# Altium PCB FMC_ADC_250M_16B_4ch.PcbDoc (part 6 of 8) (continued)
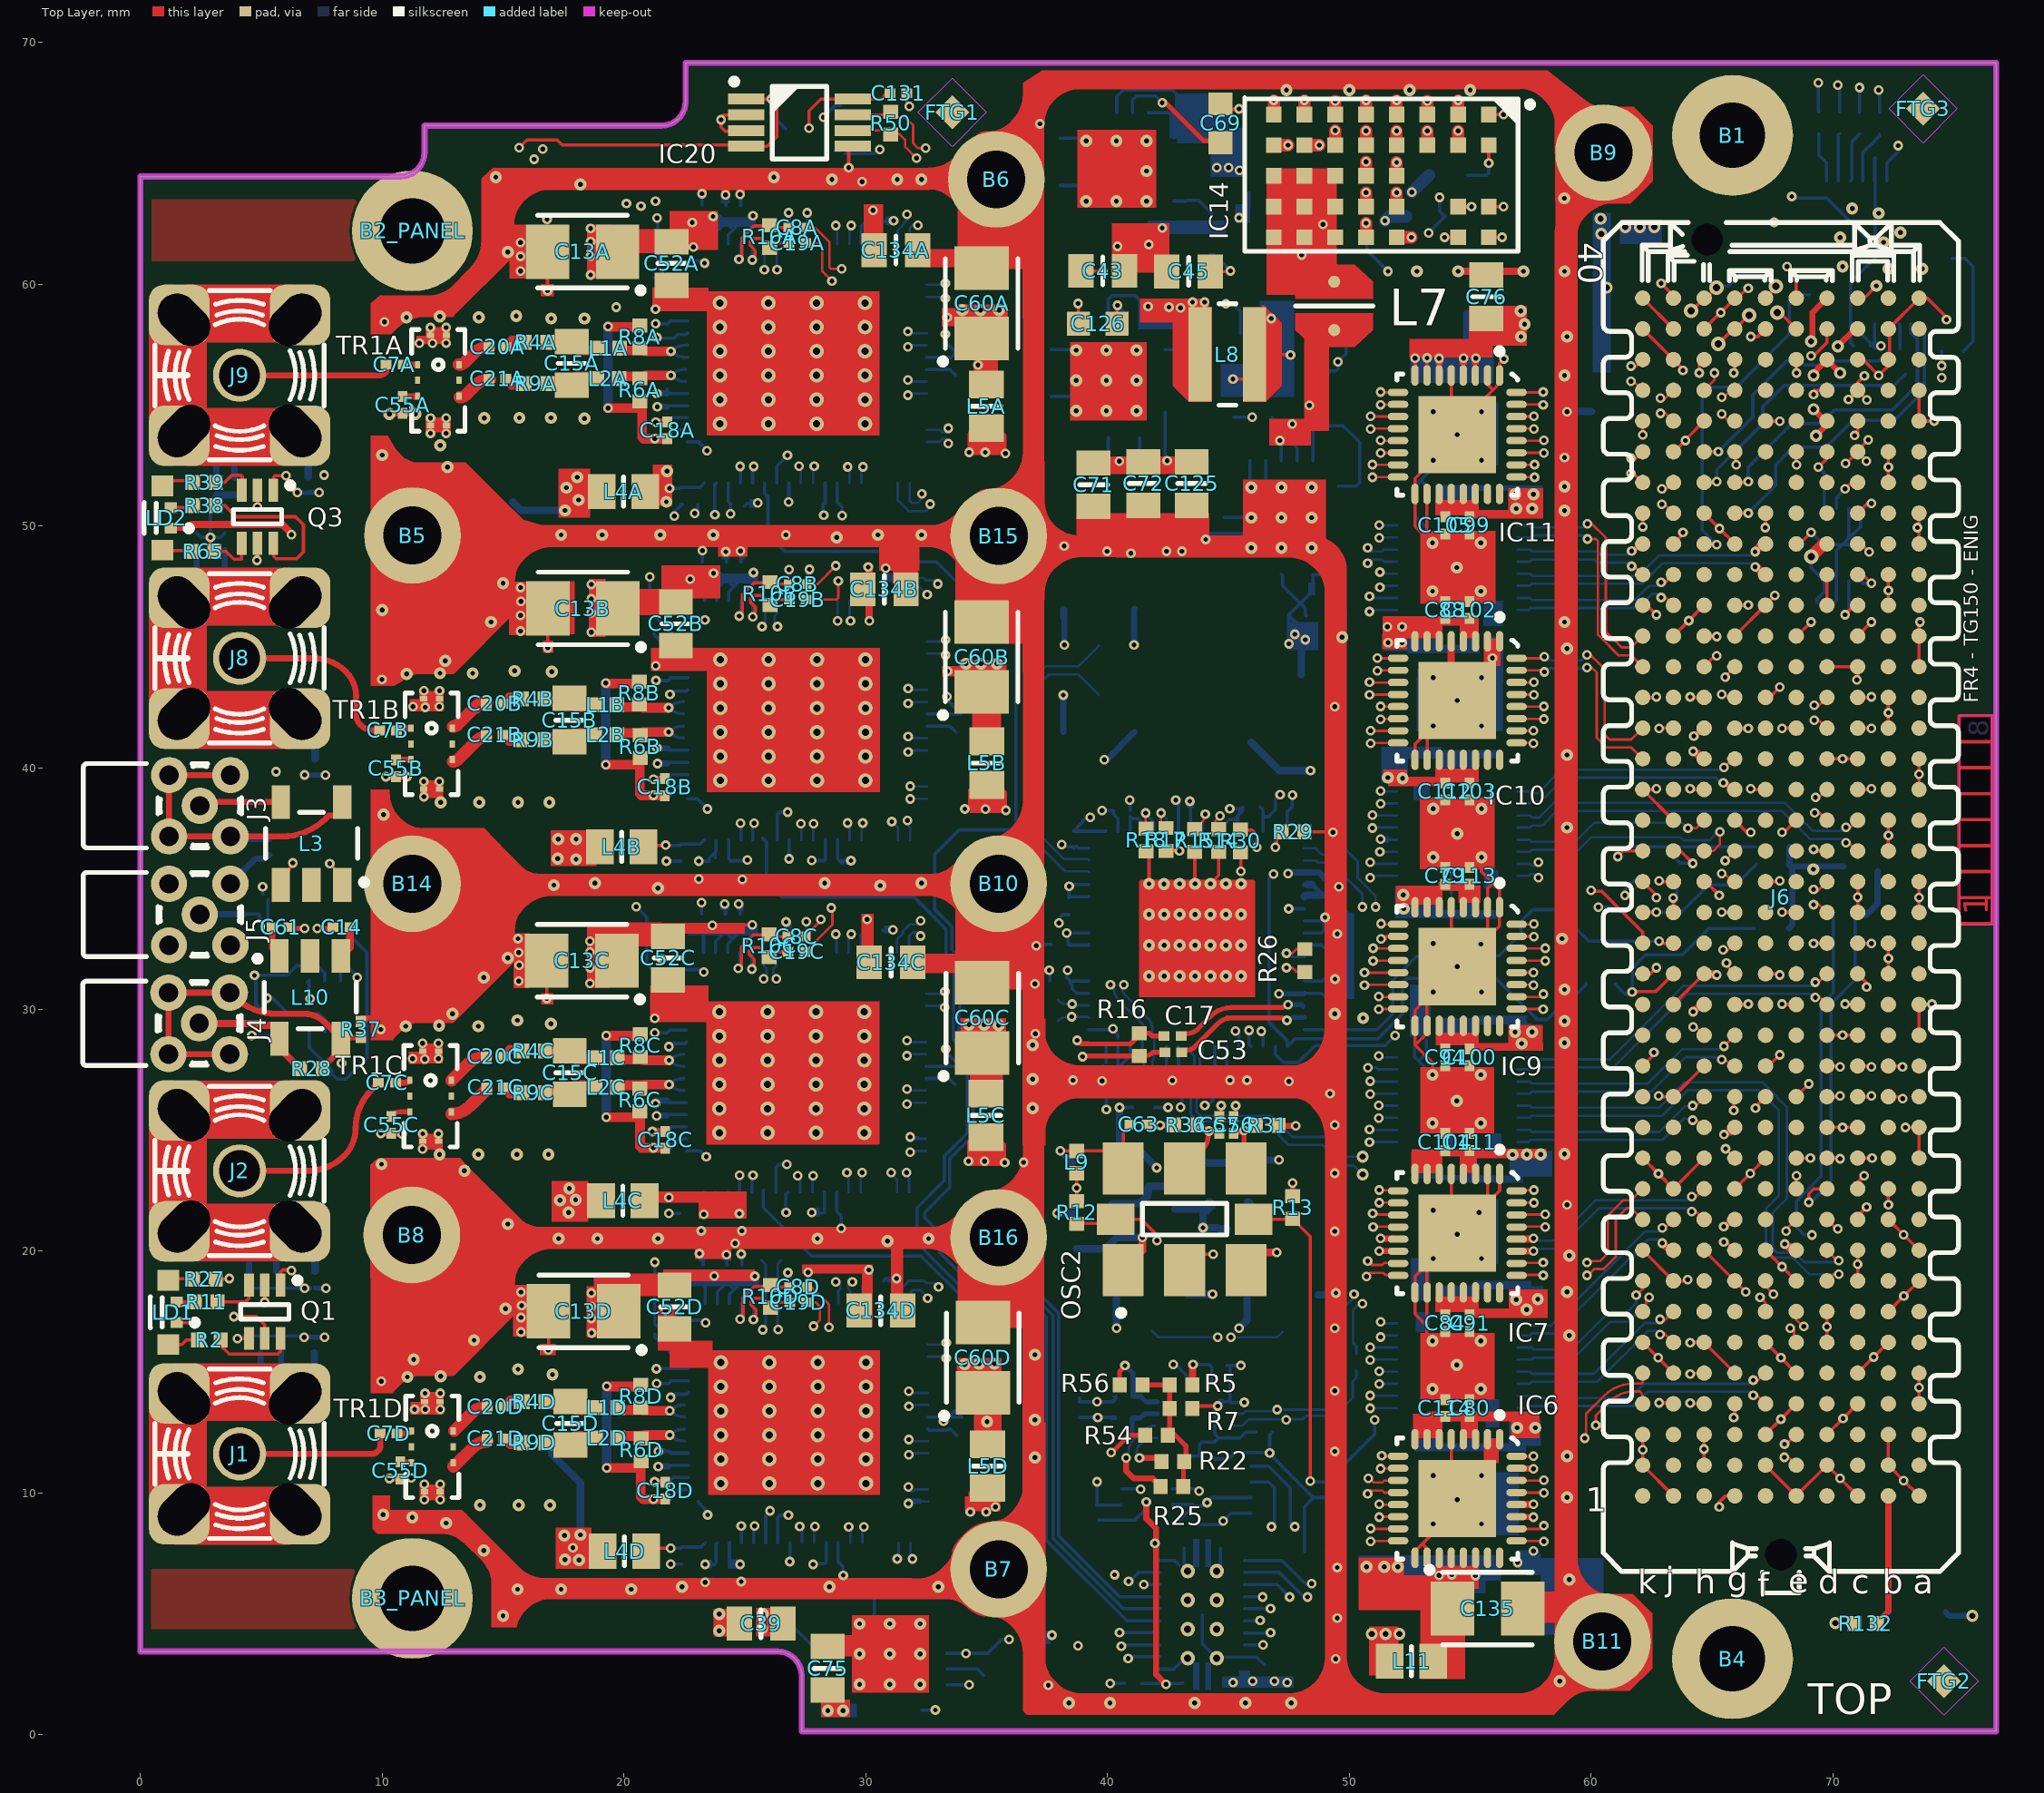
[diagram p0: Top Layer view]
## Nets (pads, with @x,y where several pads share a name; then routed paths per layer and width w, separated by ;. In a path a pad name is that pad's centre, name@x,y a point inside that pad or via, vN(x,y) a via of type N, cw(c..) or ccw(c..) an arc to the next point about the centre after c; other vN are vias at no path point) (continued)
  Top Layer w0.135: v1(18.601,31.727) 18.857,31.727 C13C.1@18.925,31.658 ; v1(18.601,32.377) 18.858,32.377 C13C.1@18.9,32.419 ; v1(18.601,32.827) 18.695,32.827 18.8,32.931 C13C.1@19.714,32.018 ; C13C.1@18.835,31.139 C13C.1@19.714,32.018 ; C13C.1@19.017,31.088 C13C.1@19.017,31.321 ; C13C.1@19.14,31.444 C13C.1@19.714,32.018 ; L4C.2@20.857,22.096 20.984,22.223 v1(21.862,22.223) ; 24.751,33.501 v1(25.316,33.501)
  Bottom Layer w0.135: v1(21.283,29.036) C1C.2@21.786,29.036 ; v1(21.354,25.602) v1@21.359,25.607 ; C5C.2@21.76,25.607 21.803,25.65 IC1C.6@22.597,25.65 ; C1C.2@21.76,29.011 C1C.2@21.786,29.036 ; v1(21.862,22.223) 22.274,22.223 C24C.2@22.319,22.269 23.115,22.269 IC1C.72@23.297,22.45 ; IC1C.13@22.597,29.15 21.899,29.15 C1C.2@21.786,29.036 ; 22.722,33.239 22.734,33.227 C2C.2@23.208,33.227 ; IC1C.19@23.297,32.35 23.297,33.164 C2C.2@23.208,33.253 ; C2C.2@23.304,33.349 C2C.2@23.208,33.253 ; v1(23.306,21.53) 23.326,21.55 C6C.2@23.738,21.55 ; C6C.2@23.736,21.614 23.736,22.389 IC1C.71@23.797,22.45 ; IC1C.20@23.797,32.35 23.797,32.825 C4C.2@24.199,33.227 ; IC1C.70@24.297,22.45 24.297,21.664 C133C.2@24.382,21.578 ; IC1C.21@24.297,32.35 24.297,32.716 24.498,32.917 ; C133C.2@24.373,21.55 24.774,21.55 v1(24.78,21.555) ; C133C.2@24.382,21.614 C133C.2@24.382,21.578 ; C133C.2@24.403,21.558 C133C.2@24.382,21.578 ; C2C.2@23.208,33.253 23.278,33.253 23.501,33.476 v1(23.665,33.476) 23.95,33.476 C4C.2@24.199,33.227 ; C4C.2@24.199,33.227 24.199,33.216 24.498,32.917 ; 24.498,32.917 24.808,33.227 C3C.2@24.884,33.227 25.093,33.227 ; 25.093,33.227 25.093,33.278 v1(25.316,33.501) 25.316,33.45 25.093,33.227
  Bottom Layer w0.254: v1@21.359,25.607 C5C.2@21.76,25.607
  other v1: 18.601,31.077
P1V8AD: C1D.2 C2D.2 C3D.2 C4D.2 C5D.2 C6D.2 C13D.1 C24D.2 C52D.2 C133D.2 IC1D.6 IC1D.13 IC1D.19 IC1D.20 IC1D.21 IC1D.70 IC1D.71 IC1D.72 L4D.2 | length 17.6
  Top Layer w0.135: 18.851,17.8 C13D.1@18.95,17.8 ; C13D.1@18.905,16.639 C13D.1@19.784,17.518 ; C13D.1@18.95,17.3 18.95,17.203 19.21,16.944 C13D.1@19.784,17.518 ; C13D.1@18.951,18.35 C13D.1@19.784,17.518 ; C13D.1@19.087,16.588 C13D.1@19.087,16.821 ; L4D.2@20.927,7.596 21.054,7.723 v1(21.932,7.723)
  Bottom Layer w0.135: v1(21.353,14.536) C1D.2@21.856,14.536 ; v1(21.424,11.102) v1@21.429,11.107 ; C5D.2@21.83,11.107 21.873,11.15 IC1D.6@22.667,11.15 ; C1D.2@21.83,14.511 C1D.2@21.856,14.536 ; v1(21.932,7.723) 22.344,7.723 22.389,7.769 23.185,7.769 IC1D.72@23.367,7.95 ; IC1D.13@22.667,14.65 21.969,14.65 C1D.2@21.856,14.536 ; v1(23.357,7.052) 23.363,7.046 C6D.2@23.764,7.046 ; IC1D.19@23.367,17.85 23.367,18.664 23.278,18.753 23.501,18.976 v1(23.735,18.976) 24.02,18.976 C4D.2@24.269,18.727 ; C6D.2@23.631,7.103 C6D.2@23.656,7.077 ; C6D.2@23.806,7.114 23.806,7.889 IC1D.71@23.867,7.95 ; IC1D.20@23.867,17.85 23.867,18.325 C4D.2@24.269,18.727 ; IC1D.70@24.367,7.95 24.367,7.164 C133D.2@24.402,7.128 ; IC1D.21@24.367,17.85 24.367,18.216 24.568,18.417 ; C133D.2@24.399,7.046 24.799,7.046 v1(24.805,7.052) ; v1(25.419,18.968) v1@25.386,19.001 ; C4D.2@24.269,18.727 24.269,18.716 24.568,18.417 ; 24.568,18.417 24.878,18.727 C3D.2@24.954,18.727 25.163,18.727 ; 25.163,18.727 25.163,18.778 v1@25.386,19.001 ; 25.163,18.727 25.386,18.95 v1@25.386,19.001
  Bottom Layer w0.254: v1@21.429,11.107 C5D.2@21.83,11.107
  other v1: 18.666,16.625 18.65,17.225 18.65,17.725 18.651,18.275
P1V8DA: C10A.2 C11A.2 C12A.2 C60A.1 C134A.2 IC1A.27 IC1A.32 IC1A.62 L5A.1 | length 8.2
  Top Layer w0.135: v1@33.523,58.504 33.536,58.491 34.955,58.491 34.882,58.419 C60A.1@34.882,57.069 ; C60A.1@34.641,57.234 34.717,57.234 C60A.1@34.882,57.069 ; L5A.1@34.98,56.32 34.98,56.971 C60A.1@34.882,57.069
  Bottom Layer w0.135: IC1A.27@27.325,61.671 27.325,62.275 C12A.2@27.571,62.521 27.58,62.529 v1(27.58,62.949) ; C11A.2@28.24,50.904 C11A.2@28.246,50.909 v1@28.246,50.523 ; C11A.2@28.325,50.935 IC1A.62@28.325,51.771 ; IC1A.32@29.825,61.671 29.825,62.394 C10A.2@30.024,62.593 30.301,62.871 v1(30.301,63.053)
  other v1: 28.27,50.447 34.65,56.65 33.375,58.625
  other v2: 34,58.925 34.75,58.925 35.525,58.925
P1V8DB: C10B.2 C11B.2 C12B.2 C60B.1 C134B.2 IC1B.27 IC1B.32 IC1B.62 L5B.1 | length 9.1
  Top Layer w0.135: C60B.1@34.655,42.48 34.731,42.48 C60B.1@34.897,42.315 ; C60B.1@34.969,43.737 34.897,43.665 C60B.1@34.897,42.315 ; L5B.1@34.994,41.566 34.994,42.217 C60B.1@34.897,42.315
  Top Layer w0.3: v1(30.109,48.296) 30.15,48.255 v1(30.15,46.075)
  Bottom Layer w0.135: IC1B.27@27.339,46.917 27.339,47.521 C12B.2@27.585,47.767 27.594,47.775 27.594,48.195 27.599,48.2 v1(27.675,48.2) ; v1(27.777,36.16) 27.782,36.155 C11B.2@28.26,36.155 ; C11B.2@28.339,36.181 IC1B.62@28.339,37.017 ; IC1B.32@29.839,46.917 29.839,47.64 C10B.2@30.038,47.839 30.109,47.91 v1(30.109,48.296)
  other v1: 33.39,43.983
  other v2: 34.15,44.3 34.775,44.3 35.425,44.3
P1V8DC: C10C.2 C11C.2 C12C.2 C60C.1 C134C.2 IC1C.27 IC1C.32 IC1C.62 L5C.1 | length 4.2
  Bottom Layer w0.135: IC1C.27@27.297,32.35 27.297,32.954 C12C.2@27.543,33.2 27.551,33.209 v1(27.551,33.628) ; v1(27.777,21.606) 27.794,21.588 C11C.2@28.217,21.588 ; C11C.2@28.297,21.614 IC1C.62@28.297,22.45 ; IC1C.32@29.797,32.35 29.819,32.372 29.819,33.096 C10C.2@29.995,33.272 30.066,33.343 v1(30.066,33.73)
  other v2: 35.506,29.35 34.275,29.375 34.9,29.375
P1V8DD: C10D.2 C11D.2 C12D.2 C60D.1 C134D.2 IC1D.27 IC1D.32 IC1D.62 L5D.1 | length 4.2
  Bottom Layer w0.135: IC1D.27@27.367,17.85 27.367,18.454 C12D.2@27.613,18.7 27.621,18.709 v1(27.621,19.128) ; v1(27.828,7.052) 27.864,7.088 C11D.2@28.287,7.088 ; C11D.2@28.367,7.114 IC1D.62@28.367,7.95 ; IC1D.32@29.867,17.85 29.873,17.856 29.873,18.58 C10D.2@30.065,18.772 30.136,18.843 v1(30.136,19.23)
  other v2: 35.025,12.95 34.1,15.325 34.7,15.35 35.325,15.35
P3V3: C36.1 J6.c39 J6.d36 J6.d38 J6.d40 L6.1 L8.1 L11.1 P3V3.1 R132.1 | length 14
  Top Layer w0.135: v1(45.19,56.072) 45.901,56.072 46.461,56.633 L8.1@46.461,57.088 ; 46.435,59.07 46.777,58.727 v1(46.777,58.578) 46.777,57.404 L8.1@46.461,57.088 ; v1@47.578,56.987 47.628,57.038 47.628,57.088 L8.1@46.461,57.088 ; v4(70.106,4.625) R132.1@71.025,4.625
  Top Layer w0.254: v4(69.106,57.625) 69.162,57.681 69.162,58.816 J6.d40@69.761,59.415 ; v4(69.206,54.825) 69.696,54.335 J6.d36@69.761,54.335 69.761,54.18 v4(69.306,53.725) ; v4(69.206,56.225) 69.206,56.325 69.211,56.325 J6.d38@69.761,56.875 70.306,56.33 v4(70.306,56.325) ; v4(70.206,57.425) 70.926,58.145 J6.c39@71.031,58.145
  Bottom Layer w0.254: P3V3.1@74.675,5.075 74.825,4.925 v4(75.775,4.925)
  other v1: 47.578,57.063
  other v4: 50.931,4.175 51.506,4.175 52.081,4.175 61.425,62.35 62.025,62.35 62.625,62.35
P3V3_BUF: C76.2 C78.2 C79.2 C80.2 C81.2 C82.2 C83.2 C84.2 C85.2 C86.2 C87.2 C88.2 C89.2 C90.2 C91.2 C92.2 C93.2 C94.2 C95.2 C96.2 C97.2 C98.2 C99.2 C100.2 C101.2 C102.2 C103.2 C104.2 C105.2 C106.2 C107.2 C108.2 C109.2 C110.2 C111.2 C112.2 C113.2 C114.2 C115.2 C116.2 C117.2 C118.2 C119.2 C120.2 C121.2 C122.2 C123.1 C135.1 IC5.3 IC5.4 IC5.6 IC5.7 IC5.8 IC5.19 IC5.20 IC5.21 IC5.22 IC6.3 IC6.4 IC6.6 IC6.7 IC6.8 IC6.19 IC6.20 IC6.21 IC6.22 IC7.3 IC7.4 IC7.6 IC7.7 IC7.8 IC7.19 IC7.20 IC7.21 IC7.22 IC8.3 IC8.4 IC8.6 IC8.7 IC8.8 IC8.19 IC8.20 IC8.21 IC8.22 IC9.3 IC9.4 IC9.6 IC9.7 IC9.8 IC9.19 IC9.20 IC9.21 IC9.22 IC10.3 IC10.4 IC10.6 IC10.7 IC10.8 IC10.19 IC10.20 IC10.21 IC10.22 IC11.3 IC11.4 IC11.6 IC11.7 IC11.8 IC11.19 IC11.20 IC11.21 IC11.22 IC12.3 IC12.4 IC12.6 IC12.7 IC12.8 IC12.19 IC12.20 IC12.21 IC12.22 IC13.3 IC13.4 IC13.6 IC13.7 IC13.8 IC13.19 IC13.20 IC13.21 IC13.22 L11.2 VBUF.1 | length 8.2
  Top Layer w0.135: IC11.8@52.721,56.271 52.721,56.924 v1(52.726,56.929) ; IC11.7@53.221,56.271 v1(53.221,56.942) ; v1(53.721,6.591) IC6.19@53.721,7.271 ; IC11.6@53.721,56.271 v1(53.721,56.924) ; IC6.20@54.221,7.271 54.221,6.59 54.224,6.586 54.244,6.605 v1(54.244,6.62) ; v1@54.371,6.595 54.699,6.595 54.707,6.586 54.721,6.6 IC6.21@54.721,7.271 ; IC11.4@54.721,56.271 54.721,56.918 v1(54.732,56.929) ; v1(55.215,6.586) 55.221,6.592 IC6.22@55.221,7.271 ; IC11.3@55.221,56.271 55.221,56.91 v1(55.24,56.929)
  Bottom Layer w0.308: v1@54.85,57.047 VBUF.1@54.85,58.775
  other v1: 51.608,45.169 52.192,45.169 51.583,45.829 52.192,45.829
  other v2: 50.713,6.95 51.45,6.95 52.008,6.95 56.95,12.702 57.7,12.7 57.342,17.593 56.911,17.999 57.8,18.025 56.758,23.994 57.35,24 57.925,24 57.139,28.591 56.86,29.074 57.571,29.074 52.251,34.165 52.237,34.738 52.212,39.564 51.602,39.589 56.911,50.714 57.571,50.714 56.86,51.299 57.622,51.299 57.106,57.825 57.255,58.345 57.103,58.879
P3V3CLK: C26.2 C27.2 C28.2 C29.2 C30.2 C31.2 C32.2 C34.2 C35.2 C37.2 C38.2 C47.2 C48.2 C49.2 C50.2 C62.2 C127.2 IC2.4 IC2.5 IC2.9 IC2.13 IC2.23 IC2.26 IC2.30 IC2.31 IC2.33 IC2.36 IC2.37 IC2.40 IC2.41 IC2.44 IC2.45 IC2.48 IC2.51 IC2.52 IC2.56 IC2.59 IC2.60 IC2.64 IC4.8 IC4.13 IC17.1 IC17.3 IC17.20 IC26.7 L9.2 R5.1 R12.2 R13.2 R55.1 VCLK.1 | length 61.4
  Top Layer w0.135: R12.2@38.724,22.056 R12.2@38.724,22.076 v1(38.724,22.622) L9.2@38.724,23.127 ; v1@42.904,25.96 v1(43.031,25.96) ; R5.1@43.52,14.475 43.539,14.494 43.539,15.282 v1(43.539,15.318)
  Top Layer w0.2: R13.2@47.665,22.259 R13.2@47.665,22.279 v1(47.665,22.825)
  Top Layer w0.308: R5.1@43.52,14.475 43.52,15.263 43.539,15.282 v1@43.575,15.318
  Bottom Layer w0.135: v1@38.206,36.725 38.556,36.725 C32.2@38.606,36.675 ; v1@38.321,31.521 38.321,31.331 38.486,31.166 IC2.37@39.242,31.166 ; C37.2@38.443,31.097 38.538,31.002 38.538,30.859 38.732,30.666 IC2.36@39.242,30.666 ; C32.2@38.699,36.771 38.804,36.666 IC2.48@39.242,36.666 ; IC2.33@39.242,29.166 40.071,29.166 cw(c40.071,28.771) 40.35,29.05 cw(c40.127,28.827) IC2.31@40.442,28.827 ; IC2.40@39.242,32.666 38.43,32.666 cw(c38.43,32.739) C28.2@38.378,32.687 38.378,33.027 ccw(c38.182,33.027) v1(38.321,33.166) IC2.41@39.242,33.166 ; IC2.44@39.242,34.666 38.505,34.666 ccw(c38.505,34.517) C34.2@38.4,34.622 38.4,34.922 38.644,35.166 IC2.45@39.242,35.166 ; v1(39.958,25.859) 39.958,26.57 40.512,27.124 C27.2@40.512,27.658 ; IC2.31@40.442,28.466 40.442,27.727 C27.2@40.512,27.658 ; v1(40.923,38.66) 40.943,38.641 C48.2@40.943,38.229 ; IC2.30@40.942,28.466 40.942,28.089 C27.2@40.512,27.658 ; IC2.51@40.942,37.366 40.942,37.989 41.044,37.887 41.278,37.887 41.442,37.723 IC2.52@41.442,37.366 ; IC2.26@42.942,28.466 42.942,27.742 C50.2@43.077,27.607 43.077,26.184 42.955,26.062 42.955,26.011 42.904,25.96 v1(43.031,25.96) ; v1(43.412,38.61) 43.442,38.579 IC2.56@43.442,37.366 ; v1(43.539,15.318) 44.207,15.318 C38.2@44.25,15.275 44.314,15.211 IC4.8@44.314,14.532 ; v1(44.029,26.029) 43.988,26.029 43.971,26.011 43.971,26.087 44.199,26.087 44.384,26.272 C26.2@44.384,27.556 44.442,27.615 IC2.23@44.442,28.466 ; IC4.13@44.314,11.532 44.44,11.406 45.012,11.406 45.292,11.686 46.689,11.686 v3(46.714,11.66) ; IC2.59@44.942,37.752 45.038,37.848 45.241,37.848 45.393,38 ; v1(45.063,38.305) 45.526,38.305 C29.2@45.602,38.381 45.602,38.209 45.393,38 ; IC2.60@45.442,37.366 45.393,37.415 45.393,38 ; C62.2@46.835,12.524 46.714,12.402 v3(46.714,11.66) ; IC17.3@47.197,47.99 47.247,47.94 47.247,47.525 C127.2@47.979,46.793 ; IC2.64@47.442,37.366 47.442,38.175 C35.2@47.648,38.381 47.648,38.858 v1(47.654,38.864) ; v1@47.488,45.144 47.488,46.302 ; IC2.13@48.142,30.666 48.869,30.666 C49.2@48.975,30.559 49.535,30.559 50.016,31.04 50.016,32.566 ; IC2.9@48.142,32.666 48.85,32.666 C47.2@48.95,32.566 50.016,32.566 ; R55.1@48.144,7.596 48.144,9.432 48.523,9.811 ; C127.2@48.23,46.261 48.189,46.302 48.189,46.583 C127.2@47.979,46.793 ; 48.506,45.725 48.064,45.725 47.488,46.302 ; IC17.20@49.547,49.04 49.547,48.266 49.272,47.99 IC17.1@48.497,47.99 48.497,47.311 C127.2@47.979,46.793 ; IC26.7@49.732,9.811 48.523,9.811 ; 50.016,33.936 50.016,33.8 50.016,32.566 ; v3(46.714,11.66) 46.714,11.62 48.523,9.811 ; 47.488,46.302 C127.2@47.979,46.793
  Bottom Layer w0.2: v1(47.1,30.65) 48.103,30.65 ccw(c48.103,30.705) IC2.13@48.142,30.666 ; IC2.4@48.142,35.166 IC2.4@48.275,35.166 ; IC2.4@48.473,35.166 C31.2@48.914,34.725
  Bottom Layer w0.308: VCLK.1@48.025,43.85 48.025,45.128 ; IC2.5@48.142,34.666 48.201,34.725 48.914,34.725 C31.2@49,34.725 49.091,34.725 50.016,33.8 ; IC2.4@48.275,35.166 IC2.4@48.473,35.166
  other v1: 38.357,31.625 38.419,35.093 38.106,36.825 47.506,45.125 48.187,45.29 47.755,45.518
  other v3: 40.225,29.2
P3V3D: C22.2 C23.2 C77.1 C131.1 C132.1 D1.2 IC15.16 IC15.36 IC15.37 IC20.8 L6.2 LD1.2 LD2.2 P3V3D.1 R47.1 | length 91.8
  Top Layer w0.135: LD1.2@1.506,17.05 2.289,17.05 v3(2.289,17.07) ; v1(6.252,49.633) v1@6.252,49.684 ; v1(27.664,66.448) 27.664,67.159 28.152,67.647 IC20.8@29.464,67.647 30.638,67.647 C131.1@30.876,67.885
  Top Layer w0.3: LD2.2@1.218,49.938 2.01,49.938 2.128,50.056 5.88,50.056 v1@6.252,49.684
  L5 w0.2: 2.797,45.087 2.797,43.969 4.518,42.248 4.518,41.486 5.591,40.413 5.591,39.854 v1(5.617,39.829) ; 2.797,45.112 5.058,47.373 5.058,48.084 6.252,49.278 v1(6.252,49.633)
  L3 w0.135: v3(2.289,17.07) 2.747,17.528 2.747,18.823 4.042,20.118 4.042,20.95 2.381,22.61 2.381,24.04 3.346,25.004 3.346,25.899 5.608,28.161 5.608,30.621 5.384,30.845 5.384,34.549 5.663,34.828 5.663,35.33 5.384,35.609 5.384,39.002 5.617,39.235 v1(5.617,39.829) ; v1(71.989,57.442) 73.689,57.442 v1(74.506,56.625) v1(74.506,56.125)
  L3 w0.3: v1(6.252,49.633) 7.433,49.633 8.716,50.916 8.716,59.311 9.122,59.717 12.792,59.717 17.77,64.695 25.378,64.695 27.131,66.448 v1(27.664,66.448)
  Bottom Layer w0.135: D1.2@28.729,65.51 D1.2@28.949,65.51 ; D1.2@29.148,65.396 29.927,65.396 C132.1@29.956,65.425 ; C132.1@29.885,65.39 30.365,65.39 30.483,65.508 30.537,65.508 30.585,65.461 v1(30.585,65.559) ; IC15.37@71.238,58.363 71.238,57.894 71.556,57.575 C22.2@71.556,57.45 ; IC15.36@71.738,58.363 71.738,57.631 C22.2@71.556,57.45 ; v1(71.989,57.442) 71.981,57.45 C22.2@71.556,57.45 ; IC15.16@72.238,64.263 72.238,65.006 C23.2@72.456,65.225 72.706,65.475 v1(72.706,65.725) ; v1@74.506,56.725 R47.1@74.506,57.225
  other v4: 60.65,59.85 60.425,62.075 60.4,62.7
P3V7: C68.2 IC14.F3 IC14.F4 IC14.F5 IC14.G3 IC14.G4 IC14.G5 IC14.H3 IC14.H4 IC14.H5 L7.1 | length 7.2
  Top Layer w0.135: IC14.H5@46.808,62.009 IC14.H5@46.884,61.933 ; IC14.H4@46.884,63.203 47.468,63.203 ; IC14.H3@46.884,64.473 IC14.G3@48.154,64.473 ; 47.697,62.39 IC14.G5@48.154,61.933 ; IC14.G4@48.154,63.203 48.738,63.203 ; 48.906,63.725 48.906,63.72 IC14.F4@49.424,63.203 ; 48.906,64.473 IC14.F3@49.424,64.473 ; v1(48.916,62.466) 49.424,61.958 IC14.F5@49.424,61.933
  Bottom Layer w0.135: v1(48.035,61.203) 48.632,61.203 C68.2@48.93,61.501 48.93,62.452 v1(48.916,62.466)
P12V0: C46.1 IC14.A1 IC14.A4 IC14.A5 IC14.B4 IC14.B5 J6.c35 J6.c37 | length 8.5
  Top Layer w0.135: v1(53.945,61.933) IC14.B5@54.504,61.933 ; IC14.B4@54.504,63.203 v1(55.063,63.203) ; IC14.A5@55.774,61.933 v1(56.333,61.933) ; IC14.A4@55.774,63.203 v1(56.383,63.203) ; IC14.A1@55.774,67.013 v1(56.383,67.013) ; v1(70.535,52.584) 70.55,52.584 J6.c35@71.031,53.065 ; v1(70.652,55.226) J6.c37@71.031,55.605 ; v1(71.312,56.201) 71.031,55.92 J6.c37@71.031,55.605 ; v1(71.389,52.67) 71.389,52.708 J6.c35@71.031,53.065 ; v1(71.414,55.21) 71.031,55.593 J6.c37@71.031,55.605 ; v1(71.465,53.559) 71.031,53.126 J6.c35@71.031,53.065
  Bottom Layer w0.135: v1(53.285,62.111) 53.958,62.784 C46.1@53.958,62.796 53.742,63.012 v1(53.742,63.584)
PG_M2C: J6.f1
PLL_FUNCTION: IC2.16 J6.j19 | length 19.1
  Top Layer w0.135: v1(62.814,32.825) 62.814,32.732 63.399,32.732 J6.j19@63.411,32.745
  Bottom Layer w0.135: IC2.16@48.142,29.166 51.147,29.166 51.806,29.825 51.806,31.208 52.821,32.223 56.199,32.223 57.114,33.138 57.114,33.646 57.596,34.128 58.612,34.128 59.915,32.825 v1(62.814,32.825)
PLL_PDN: J6.k23
PLL_RFOUTEN: J6.j15
PLL_SCB: IC2.21 J6.k19 | length 24
  Top Layer w0.135: v1(60.006,34.925) 60.048,34.883 60.449,34.883 62.141,33.19 J6.k19@62.141,32.745
  L3 w0.127: v1@45.342,29.161 45.469,29.288 45.469,29.44 45.647,29.618 46.452,29.618 47.166,28.904 51.047,28.904 51.762,29.62 55.044,29.62 55.92,30.496 55.92,33.828 56.975,34.883 60.164,34.883 60.122,34.925 v1(60.006,34.925)
  Bottom Layer w0.135: v1(45.292,29.11) 45.442,28.959 IC2.21@45.442,28.466
PLL_SCLK: IC2.18 J6.j21 | length 23
  Top Layer w0.135: v1(62.814,35.325) 62.854,35.285 J6.j21@63.411,35.285
  L5 w0.127: v1(62.814,35.325) v1@62.906,35.232
  L3 w0.127: v1(51.906,28.925) 55.206,28.925 56.706,30.425 56.706,33.825 57.206,34.325 59.619,34.325 60.134,33.809 60.479,33.809 60.722,34.053 60.722,34.641 61.406,35.325 v1(62.814,35.325)
  Bottom Layer w0.135: IC2.18@46.942,28.466 46.942,28.145 47.284,27.804 47.894,27.804 48.593,28.503 51.484,28.503 v1(51.906,28.925)
PLL_SDIO: D4.2 J6.k20 R51.1 | length 6.1
  Top Layer w0.135: J6.k20@62.141,34.015 62.696,34.015 v1(62.706,34.025)
  Bottom Layer w0.135: R51.1@62.156,34.025 R51.1@62.176,34.025 v1(62.706,34.025) 63.745,34.025 64.875,35.155 65.993,35.155 D4.2@66.831,35.993
PLL_SDO: D6.2 J6.k22 R52.1 | length 7
  Top Layer w0.135: v1(61.106,36.325) 61.336,36.555 J6.k22@62.141,36.555
  Bottom Layer w0.135: v1(61.106,36.325) 61.511,36.73 D6.2@66.817,36.73
PLL_STATUS: D5.2 J6.j18 R53.1 | length 9.7
  Top Layer w0.135: v1(61.706,30.725) 61.726,30.745 62.681,30.745 J6.j18@63.411,31.475
  Bottom Layer w0.135: R53.1@61,31.05 61.425,30.625 61.606,30.625 v1(61.706,30.725) 61.706,31.707 62.259,32.26 63.783,32.26 64.875,33.352 D5.2@66.755,33.352
REFIN_N: C124.2 IC4.10 J13.1 | length 13.7
  L5 w0.102: v3(44.56,16.45) cw(c44.169,16.06) 44.721,16.06 44.721,14.955 45.252,14.425 46.6,14.425 47.025,14 v3(47.025,13.45)
  Bottom Layer w0.102: J13.1@41.85,16.7 42.1,16.45 v3(44.56,16.45) ; IC4.10@45.064,13.282 45.608,13.282 45.714,13.387 v3@46.962,13.387 ; v3(47.025,13.45) 49.288,13.45 49.813,13.975 49.813,14.595 49.66,14.748 C124.2@49.66,15.044
REFIN_P: C58.2 IC4.11 J12.1 | length 14.1
  L5 w0.102: v3(45.112,16.45) ccw(c45.502,16.06) 44.95,16.06 44.95,15.05 45.346,14.654 46.695,14.654 47.403,13.945 47.403,13.083 47.4,13.08 v3(47.4,13.024)
  Bottom Layer w0.102: IC4.11@45.064,12.782 45.575,12.782 45.85,13.057 46.755,13.057 46.765,13.047 47.367,13.047 47.391,13.024 v3(47.4,13.024) ; v3(45.112,16.45) 47.025,16.45 J12.1@47.25,16.675 ; v3@47.587,13.057 48.092,13.057 48.232,13.196 49.393,13.196 50.143,13.947 50.143,14.621 50.295,14.773 C58.2@50.295,15.069
REFINC_N: C124.1 IC2.2 R74.2 | length 22.7
  L5 w0.102: v1@50.118,18.314 50.118,18.557 ccw(c49.826,18.557) 50.032,18.763 cw(c50.562,19.293) 49.813,19.293 49.813,32.226 cw(c50.735,32.226) 50.083,32.878 50.356,33.151 ccw(c49.52,33.987) 50.702,33.987 50.702,34.088 v1(50.549,34.241)
  Bottom Layer w0.102: IC2.2@48.142,36.166 48.618,36.166 48.709,36.075 49.475,36.075 49.774,35.776 49.774,35.756 R74.2@49.825,35.705 49.876,35.654 49.876,35.449 50.549,34.776 v1(50.549,34.241) ; C124.1@49.66,15.744 49.66,16.043 49.827,16.209 49.827,17.716 49.889,17.778 50.202,18.091 v1(50.202,18.23)
REFINC_P: C58.1 IC2.1 R74.1 | length 24
  L5 w0.102: 50.244,32.717 ccw(c50.735,32.226) 50.041,32.226 50.041,19.293 ccw(c50.562,19.293) 50.194,18.925 50.239,18.88 cw(c49.979,18.62) 50.345,18.646 cw(c49.979,18.62) 50.346,18.62 50.58,18.387 50.58,18.074 50.546,18.039 50.549,18.036 v1@50.549,17.934 ; 50.245,32.717 50.517,32.99 ccw(c49.52,33.987) 50.93,33.987 50.93,34.183 50.927,34.186 v1@50.927,34.25
  Bottom Layer w0.102: IC2.1@48.142,36.666 48.618,36.666 48.879,36.405 49.585,36.405 R74.1@49.825,36.645 50.35,36.12 50.35,35.442 51.095,34.696 v1(51.095,34.241) ; C58.1@50.295,15.769 50.295,16.068 50.157,16.207 50.157,17.579 50.41,17.832 v1(50.549,17.832)
RF_AUX_N: IC2.46 J10.1 | length 13
  Bottom Layer w0.102: IC2.46@39.242,35.666 39.191,35.717 38.241,35.717 36.817,37.142 36.72,37.238 36.72,43.462 36.817,43.558 37.448,44.19 38.79,44.19 J10.1@39.65,45.05
RF_AUX_P: IC2.47 J7.1 | length 11.8
  Bottom Layer w0.102: IC2.47@39.242,36.166 39.191,36.217 38.208,36.217 37.05,37.375 37.05,43.325 37.585,43.86 38.79,43.86 J7.1@39.65,43
SCL: IC22.6 J6.c30 | length 2.1
  Top Layer w0.135: v1(70.506,46.325) 70.896,46.715 J6.c30@71.031,46.715
  Bottom Layer w0.135: v1(70.506,46.325) 70.656,46.475 IC22.6@70.656,47.725
SDA: IC22.5 J6.c31 | length 1.2
  Top Layer w0.135: J6.c31@71.031,47.985 71.246,47.985 v1(71.606,47.625)
  Bottom Layer w0.135: IC22.5@71.156,47.725 71.256,47.625 v1(71.606,47.625)
SDIO: IC2.19 R51.2 | length 20.5
  Top Layer w0.135: v1@46.344,29.099 v1(46.37,29.099)
  L3 w0.127: v1(46.37,29.099) 46.793,28.676 51.177,28.676 51.542,29.04 51.542,29.076 51.806,29.341 55.228,29.341 56.428,30.541 56.428,33.941 57.091,34.604 59.74,34.604 60.118,34.225 v1(60.306,34.225)
  Bottom Layer w0.135: v1(46.37,29.099) 46.442,29.026 IC2.19@46.442,28.466 ; v1(60.306,34.225) 61.056,34.225 R51.2@61.256,34.025
SDO: IC2.20 R52.2 | length 22.8
  L3 w0.127: v1(45.862,29.135) 45.862,29.019 46.433,28.448 55.245,28.448 57.062,30.265 57.062,33.669 57.363,33.969 59.58,33.969 60.019,33.53 60.594,33.53 61.406,34.343 v1(61.406,34.725)
  Bottom Layer w0.135: v1(45.862,29.135) 45.862,28.546 IC2.20@45.942,28.466 ; v1@61.325,34.806 v1(61.406,34.725) 61.406,34.956 R52.2@61.85,35.4
SI_OE: OSC2.2 R75.2 | length 55.5
  Top Layer w0.135: OSC2.2@43.495,19.875 v3(44.375,19.875)
  L5 w0.123: v3(44.375,19.875) 45.407,19.875 46.281,19.001 46.281,16.182 46.46,16.004 46.485,16.004 46.739,15.75 47.781,15.75 49.381,17.35 50.8,17.35 51.181,17.731 54.944,17.731 55.909,16.766 55.909,16.74 59.01,13.639 60.974,13.639 61.634,12.978 64.962,12.978 65.402,12.538 66.489,12.538 67.288,13.337 67.303,13.337 67.613,13.647 69.74,13.647 70.831,14.739 70.831,17.504 69.431,18.904 69.431,20.413 v1@69.168,20.677
  Bottom Layer w0.135: v1(69.142,20.677) 68.823,20.677 68.5,21 68.5,22.075 69.525,23.1 69.525,30.2 70.025,30.7 R75.2@70.025,33.875
SI_SCL: IC26.3 J6.c10 | length 42.3
  Top Layer w0.135: J6.c10@71.031,21.315 71.031,21.45 v1(71.406,21.825)
  L5 w0.135: v1(46.79,8.612) 46.79,8.968 46.993,9.171 47.959,9.171 48.467,8.663 48.467,7.901 48.822,7.545 57.103,7.545 57.534,7.114 58.068,7.114 61.522,10.568 69.65,10.568 72.495,13.413 72.495,20.398 71.406,21.486 v1(71.406,21.825)
  Bottom Layer w0.135: IC26.3@45.932,10.461 46.663,10.461 46.917,10.207 v1@46.917,8.612 ; v1@71.381,21.85 v1(71.406,21.825)
SI_SDA: IC26.4 J6.c11 | length 45.4
  Top Layer w0.135: J6.c11@71.031,22.585 71.031,22.85 v1(71.306,23.125)
  L5 w0.135: v1(47.755,8.612) 47.755,7.952 49.485,6.222 54.367,6.222 54.372,6.217 57.578,6.217 61.573,10.212 70.431,10.212 73.202,12.984 73.202,15.619 73.511,15.927 73.511,21.556 72.017,23.05 71.381,23.05 v1(71.306,23.125)
  Bottom Layer w0.135: IC26.4@45.932,11.111 46.663,11.111 47.567,10.207 v1@47.567,8.612
STATUS: IC2.17 J11.1 R53.2 | length 31
  L5 w0.135: v1(46.875,35.6) 48.4,37.125 v1(48.4,39.875)
  Bottom Layer w0.135: v1(46.875,35.6) 46.678,35.403 46.678,29.472 47.442,28.708 IC2.17@47.442,28.466 47.766,28.79 51.178,28.79 52.206,29.819 52.206,31.125 52.365,31.283 56.072,31.283 57.769,29.587 58.202,29.587 58.94,30.325 59.1,30.325 59.8,31.025 R53.2@59.8,31.075
  Bottom Layer w0.308: J11.1@45.95,41.05 47.125,39.875 v1(48.4,39.875)
TDI: J6.d30 J6.d31 | length 1.3
  Top Layer w0.135: J6.d30@69.761,46.715 J6.d31@69.761,47.985
TRIG_DIR: IC20.2 IC20.3 J6.c26 Q3.2 | length 117.9
  Top Layer w0.135: v1(4.848,50.776) Q3.2@4.85,51.475 ; v1(24.018,66.793) 24.018,66.488 24.195,66.31 IC20.3@24.856,66.31 ; 24.12,66.997 IC20.2@25.034,66.997 ; J6.c26@71.031,41.635 71.596,41.635 v1(71.606,41.625)
  L5 w0.127: v1(4.848,50.776) 4.848,52.129 4.245,52.732 4.245,54.238 2.795,55.689 2.795,56.76 4.245,58.211 4.245,59.438 5.287,60.479 8.131,60.479 9.489,59.121 12.346,59.121 16.13,62.905 16.13,63.745 16.7,64.316 16.7,65.525 v1(16.64,65.584)
  L3 w0.127: v1(16.64,65.584) 17.078,66.022 23.247,66.022 v1(24.018,66.793) 26.032,68.807 68.336,68.807 76.414,60.73 76.414,44.014 74.025,41.625 v1(71.606,41.625)
TRIG_TERM: J6.c27 Q2.5 Q3.5 R49.2 | length 141.9
  Top Layer w0.135: v1(4.825,48.575) 4.85,48.6 4.821,48.6 4.804,48.617 4.855,48.668 Q3.5@4.855,49.659 ; J6.c27@71.031,42.905 71.586,42.905 v1(71.606,42.925)
  L5 w0.127: v1(4.721,31.41) 5.423,32.112 5.423,35.273 5.183,35.513 5.183,40.43 4.194,41.419 4.194,42.166 2.518,43.842 2.518,45.236 3.559,46.277 3.559,47.068 4.804,48.312 4.804,49.227 3.61,50.421 3.61,54.55 2.566,55.594 2.566,56.855 4.017,58.305 4.017,59.532 5.193,60.708 8.225,60.708 9.583,59.35 12.2,59.35 15.901,63.051 15.901,63.84 16.285,64.223 v1(16.285,65.16)
  L3 w0.127: v1@4.678,31.454 v1(4.721,31.41) ; v1(16.285,65.16) 16.753,65.16 17.387,65.794 24.863,65.794 27.593,68.525 68.206,68.525 76.135,60.597 76.135,44.46 74.4,42.725 71.806,42.725 v1(71.606,42.925)
  Bottom Layer w0.135: v1@4.71,31.421 6.074,31.421 6.455,31.802 7.329,31.802 7.631,31.5 Q2.5@7.631,31.2 ; v1(4.721,31.41) 4.779,31.353 4.779,30.228 R49.2@5.206,29.8
VADJ: C33.2 C130.2 D3.1 D4.1 D5.1 D6.1 IC18.23 IC18.24 IC19.5 IC19.6 IC26.2 J6.e39 J6.f40 J6.g39 J6.h40 | length 43.8
  Top Layer w0.135: v5(64.15,58.893) 64.16,58.893 J6.h40@64.681,59.415 64.748,59.415 v5(65.191,59.858) ; v5(65.267,57.522) 65.891,58.145 J6.g39@65.951,58.145 65.967,58.145 v5(66.537,58.715) ; J6.f40@67.221,59.415 67.655,59.848 v5(67.655,59.909) ; v5(67.706,58.825) 67.811,58.825 J6.e39@68.491,58.145
  L5 w0.254: v2(50.575,29.643) 50.753,29.466 51.743,29.466 52.48,30.202 52.48,33.072 54.537,35.13 55.706,35.13 58.728,38.152 68.614,38.152 69.761,37.005 69.761,36.435 69.2,35.873 v2(69.2,35.8)
  Bottom Layer w0.135: IC19.5@42.684,9.53 C130.2@43.505,9.53 ; IC19.6@42.994,8.88 C130.2@43.505,9.391 ; C130.2@43.564,9.47 43.914,9.47 v1@44.072,9.628 ; v1(44.123,9.603) 44.123,9.654 44.281,9.811 IC26.2@45.932,9.811 ; v5@65.293,59.909 65.674,59.909 66.139,60.375 67.113,60.375 v5@67.579,59.909
  Bottom Layer w0.254: D5.1@68.191,33.352 68.335,33.496 68.335,35.855 D4.1@68.273,35.917 ; D4.1@68.197,35.993 D4.1@68.217,35.974 ; D6.1@68.217,36.73 D4.1@68.217,35.974 ; D3.1@70.45,35.917 D4.1@68.273,35.917 ; D4.1@68.217,35.974 D4.1@68.273,35.917
  other v1: 45.196,2.17 47.431,2.17 46.006,2.225 46.906,2.225
VADJ_FILT: C42.1 C70.1 C74.1 IC16.13 IC16.15 IC16.16 IC24.13 IC24.15 IC24.16 IC25.13 IC25.15 IC25.16 L8.2 | length 18.2
  Bottom Layer w0.135: IC24.16@32.306,1.025 32.875,1.025 v1(32.882,1.032) ; IC24.15@33.356,2.075 34.278,2.075 v1(34.279,2.073) ; IC24.13@33.356,3.375 v1@34.152,3.375 ; v1(34.152,3.369) v1@34.152,3.375 ; v1(35.93,3.953) 35.625,3.953 35.047,3.375 v1@34.152,3.375 ; IC16.13@40.034,58.346 40.034,59.374 40.186,59.527 41.151,59.527 41.334,59.344 IC16.15@41.334,58.346 43.286,58.346 C70.1@43.706,57.927 43.075,57.296 IC16.16@42.384,57.296 ; IC25.13@40.389,67.084 40.389,67.756 40.651,68.018 42.693,68.018 42.853,67.858 42.853,67.077 42.701,66.925 ; IC25.15@41.689,67.084 42.542,67.084 42.701,66.925 ; IC25.16@42.739,66.034 42.701,66.072 42.701,66.925
  other v1: 43.031,59.019 42.548,59.044 41.685,59.07 43.525,59.25 44.025,59.25 45.469,64.695 44.53,64.81 45.012,64.81
VCMA: C18A.1 IC1A.4 R6A.2 R8A.1 | length 10
  Top Layer w0.4: v3(19.345,54.866) 20.75,54.866 ; v3(19.345,58.244) 19.358,58.231 R8A.1@20.755,58.231 ; R6A.2@20.75,54.916 20.75,54.866 ; 20.755,54.866 20.75,54.866 ; C18A.1@21.797,53.601 v1(21.275,53.601) 20.812,53.601 20.75,53.663 20.75,54.866
  Bottom Layer w0.135: 21.682,53.582 22.071,53.971 IC1A.4@22.625,53.971
  Bottom Layer w0.254: v1(21.275,53.601) 21.294,53.582 21.682,53.582
  Bottom Layer w0.4: v3(19.345,54.866) v3(19.345,58.244)